# Altium PCB PCB_Template.PcbDoc (part 1 of 6) (continued)
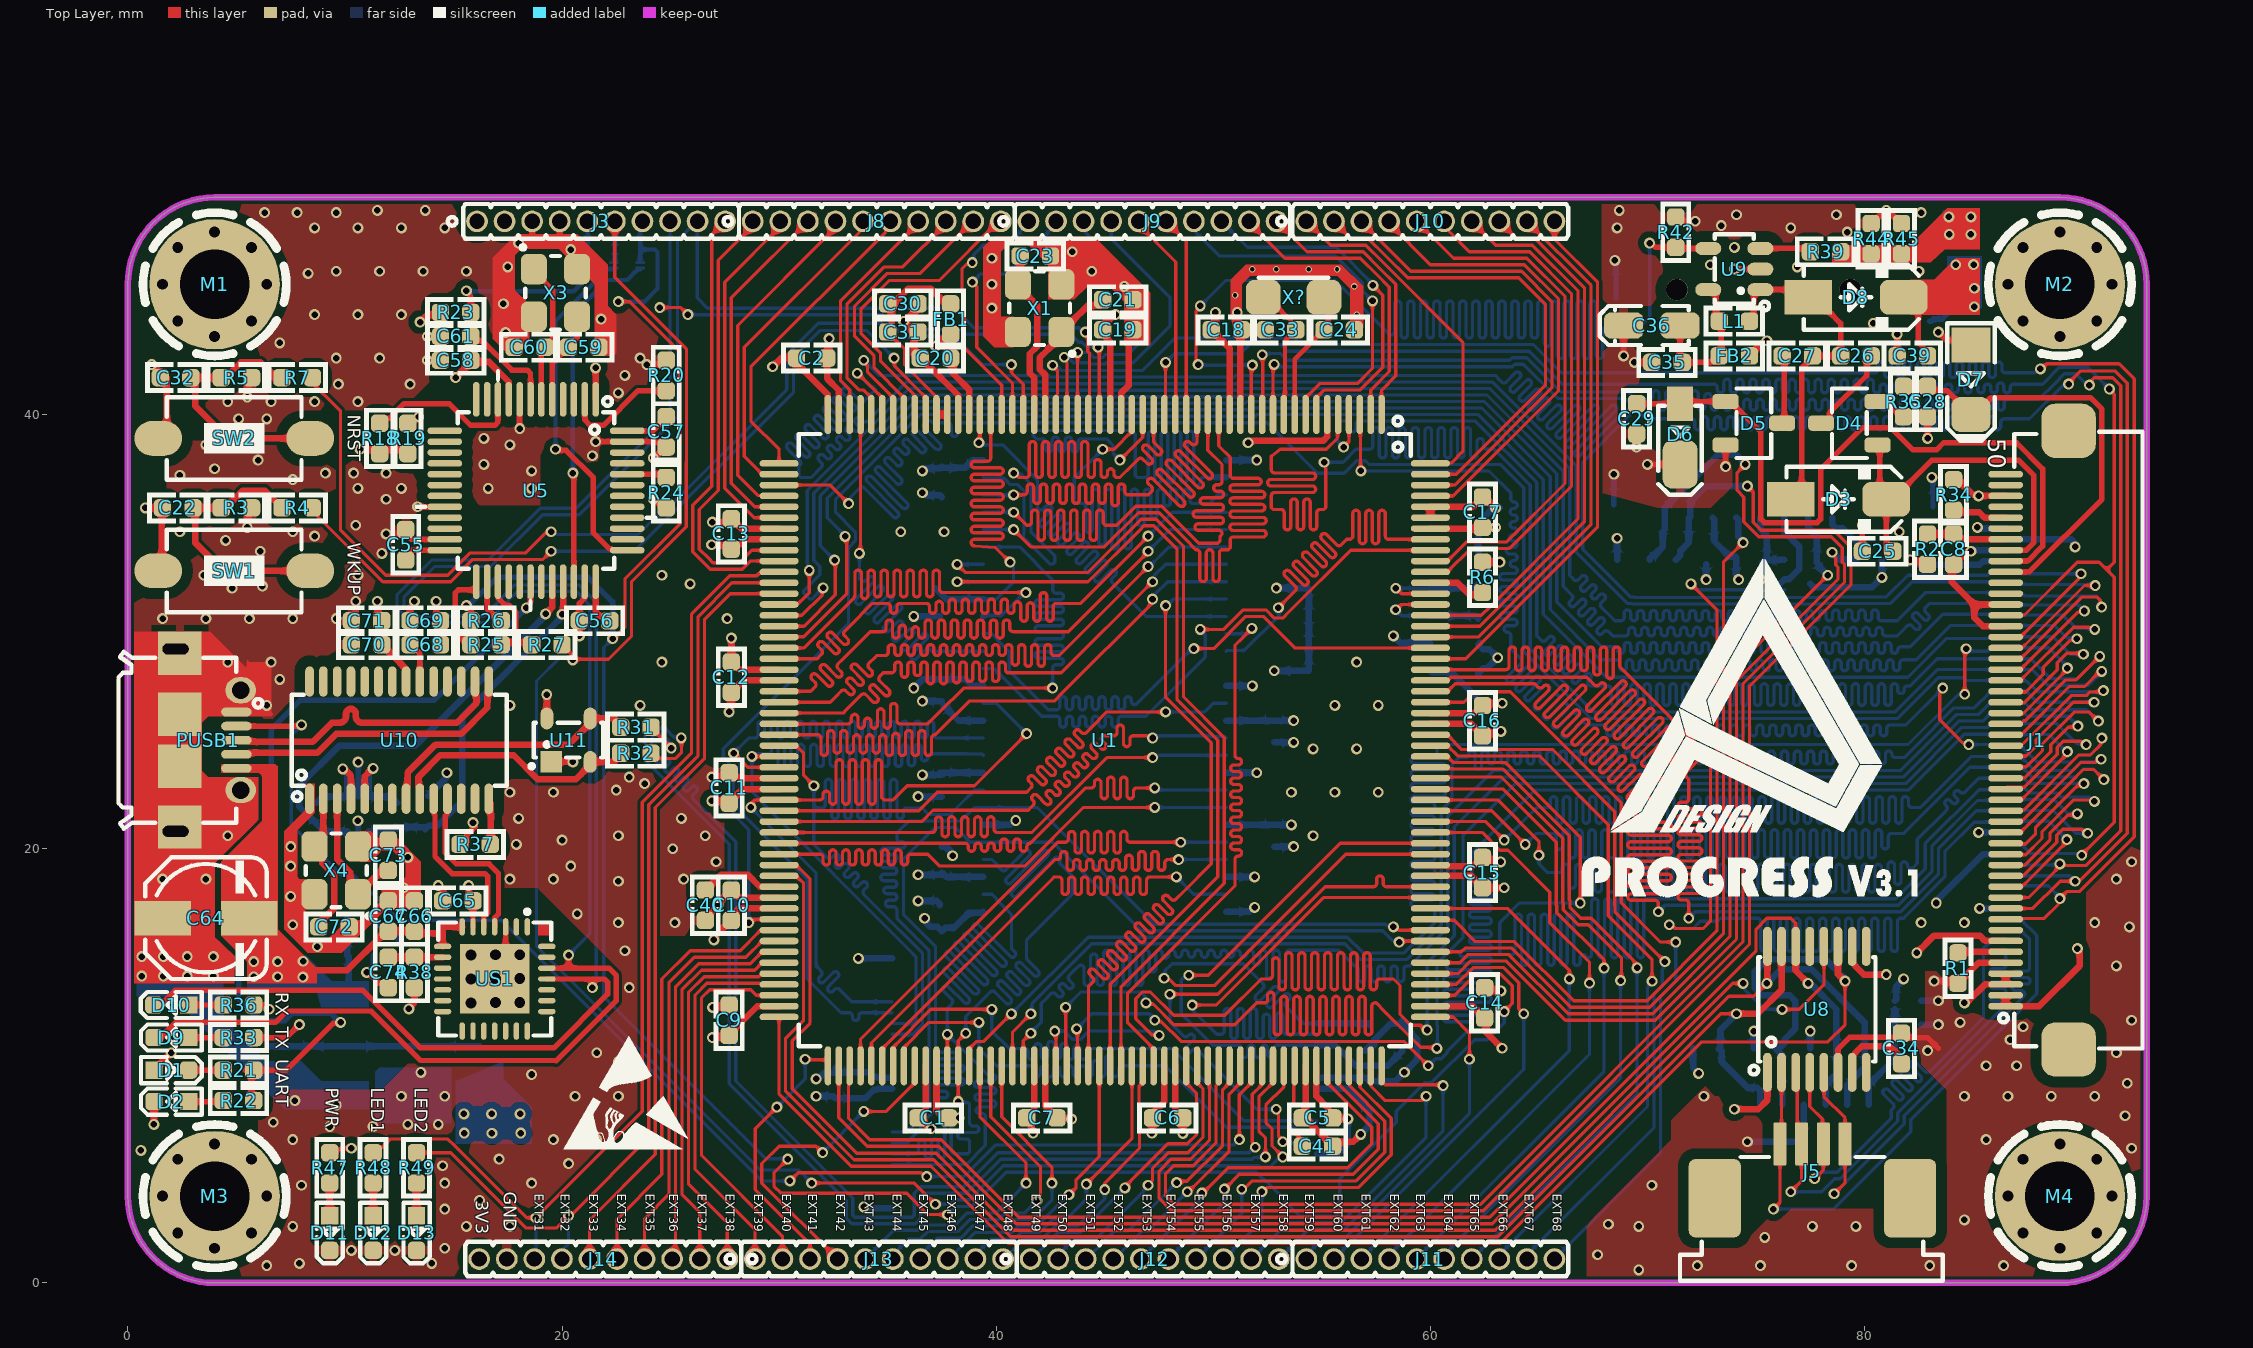
[diagram p0: Top Layer view]
## Footprints (in the part's own frame and the unit in brackets; to place one, negate y for a bottom-side part, rotate by r counter-clockwise, add the part's x,y. Pads: shape width x height; smd on the part's side, far side on the other; paste and mask are expansions set on the pad)
C0603 [mm] "CHIP Capacitor, 1.6X0.8mm, 0603 OPTIMIZED"
  rrect50% 0.8x0.8 smd paste-5 mask+0.075: 1(-0.7,0) 2(0.7,0)
  Top Layer pour cut-out: -0.5,0.4 0.5,0.4 0.5,-0.4 -0.5,-0.4
  silkscreen extent -1.4,-0.7 1.4,0.7, body extent -0.8,-0.4 0.8,0.4, height 0.9
C_EL_5 [mm] "Electrolytic Cap, D: 5.0mm, L: 5.8mm, Size C"
  rect 2.6x1.6 smd: 1(-2,0) 2(2,0)
  Top Layer pour cut-out: 1.905,2.667 1.905,-2.7 -1.905,-2.7 -1.905,2.667
  silkscreen extent -2.8,-2.8 2.8,2.8, body extent -3,-2.65 3,2.65
C_TN_3216 [mm] "CAPACITOR, TAN A, 1206P, 3.2x1.6mm"
  rrect50% 1.8x1.2 smd mask+0.075: 1(-1.3,0) 2(1.3,0)
  Top Layer pour cut-out: -0.762,0.9 0.762,0.9 0.762,-0.9 -0.762,-0.9
  silkscreen extent -2.4,-0.9 1.7,0.9, body extent -1.7,-0.9 1.7,0.9, height 1.7
D1206 [mm] "SOD123, miniMELF, DO-213AA, MLL34, 320X160D"
  rect 1.6x1.8 smd paste-2 mask+0.075: 1(-1.6,0)
  rrect50% 1.6x1.8 smd paste-2 mask+0.075: 2(1.6,0)
  Top Layer pour cut-out: -1.016,1.1 -1.016,-1.1 1.016,-1.1 1.016,1.1
  silkscreen extent -2.6,-1.1 2.8,1.1, body extent -1.92,-1.08 1.93,1.08, height 1.35
D_SMA [mm] "SMA Molded Diode, 2-Leads, Body 4.3x2.7mm, SOD-128"
  rect 2.2x1.6 smd paste-0.1: 1(-2.2,0)
  rrect50% 2.2x1.6 smd paste-0.1: 2(2.2,0)
  silkscreen extent -2.4,-1.5 2.9,1.5, body extent -2.75,-1.4 2.75,1.4, height 2.6
D_SOD123W [mm] "PowerDI-123, SOD123, DO-213AA, 1206D"
  rect 1.6x1.2 smd paste-0.1 mask+0.1: 1(-1.6,0)
  rrect50% 2.2x1.6 smd paste-0.1 mask+0.1: 2(1.2,0)
  Top Layer pour cut-out: -1.016,1.1 -1.016,-1.1 1.016,-1.1 1.016,1.1
  silkscreen extent -1.5,-1 2.6,1, body extent -1.95,-0.97 1.95,0.96, height 1
FPC50_40 [mm] "FPC, pitch: 0.5mm, FH12-40S-0.5SH, molex 54132-4062"
  oval 0.3x1.6 smd mask+0.05: 1(9.75,0) 2(9.25,0) 3(8.75,0) 4(8.25,0) 5(7.75,0) 6(7.25,0) 7(6.75,0) 8(6.25,0) 9(5.75,0) 10(5.25,0) 11(4.75,0) 12(4.25,0) 13(3.75,0) 14(3.25,0) 15(2.75,0) 16(2.25,0) 17(1.75,0) 18(1.25,0) 19(0.75,0) 20(0.25,0) 21(-0.25,0) 22(-0.75,0) 23(-1.25,0) 24(-1.75,0) 25(-2.25,0) 26(-2.75,0) 27(-3.25,0) 28(-3.75,0) 29(-4.25,0) 30(-4.75,0) 31(-5.25,0) 32(-5.75,0) 33(-6.25,0) 34(-6.75,0) 35(-7.25,0) 36(-7.75,0) 37(-8.25,0) 38(-8.75,0) 39(-9.25,0) 40(-9.75,0)
  rrect50% 2.5x2.5 smd: ""(-11.75,2.9) ""(11.75,2.9)
  silkscreen extent -11.7,0.4 11.7,6.3, body extent -12.05,-0.3 12.05,6.1, height 2.09
FPC50_50 [mm] "FPC, pitch: 0.5mm, FH12-50S-0.5SH"
  oval 0.3x1.6 smd mask+0.05: 1(12.25,0) 2(11.75,0) 3(11.25,0) 4(10.75,0) 5(10.25,0) 6(9.75,0) 7(9.25,0) 8(8.75,0) 9(8.25,0) 10(7.75,0) 11(7.25,0) 12(6.75,0) 13(6.25,0) 14(5.75,0) 15(5.25,0) 16(4.75,0) 17(4.25,0) 18(3.75,0) 19(3.25,0) 20(2.75,0) 21(2.25,0) 22(1.75,0) 23(1.25,0) 24(0.75,0) 25(0.25,0) 26(-0.25,0) 27(-0.75,0) 28(-1.25,0) 29(-1.75,0) 30(-2.25,0) 31(-2.75,0) 32(-3.25,0) 33(-3.75,0) 34(-4.25,0) 35(-4.75,0) 36(-5.25,0) 37(-5.75,0) 38(-6.25,0) 39(-6.75,0) 40(-7.25,0) 41(-7.75,0) 42(-8.25,0) 43(-8.75,0) 44(-9.25,0) 45(-9.75,0) 46(-10.25,0) 47(-10.75,0) 48(-11.25,0) 49(-11.75,0) 50(-12.25,0)
  rrect50% 2.5x2.5 smd: ""(-14.25,2.9) ""(14.25,2.9)
  silkscreen extent -14.2,-0.3 14.2,6.3, body extent -14.55,-0.3 14.55,6.1, height 2.09
FPC100_4HT [mm] "TE Connectivity 4-pin ZIF connector TE84953-4"
  rrect25% 0.6x2 smd: 1(1.5,0) 2(0.5,0) 3(-0.5,0) 4(-1.5,0)
  rrect25% 2.4x3.6 smd: ""(-4.5,2.5) ""(4.5,2.5)
  silkscreen extent -6,0.6 6.1,6.3, body extent -5.96,-0.39 5.96,6.16, height 2.58
FPC100_6H [mm] "FPC 6pin pitch: 1.0mm, Molex 52271-0679"
  oval 0.6x2.4 smd: 1(2.5,0) 2(1.5,0) 3(0.5,0) 4(-0.5,0) 5(-1.5,0) 6(-2.5,0)
  rrect50% 2x3 smd: ""(-5.65,2.2) ""(5.65,2.2)
  silkscreen extent -6.6,0.8 6.6,8.1, body extent -6.5,-0.7 6.5,8, height 3
HDRMINI_M_1X10 [mm] "mini header (50mil pitch)"
  round 1 / inner round 1 / far side oval 1x1.4 hole 0.7 mask+0.05: 1(-5.715,0) 2(-4.445,0) 3(-3.175,0) 4(-1.905,0) 5(-0.635,0) 6(0.635,0) 7(1.905,0) 8(3.175,0) 9(4.445,0) 10(5.715,0)
  silkscreen extent -7.06,-0.8 6.35,0.8, body extent -6.35,-0.64 6.35,0.64, height 7.3
JP_40X50 [mm] "JUMPER SOLDER 0.4X0.5MM"
  oval 0.2x0.4 smd paste-2 mask+0.05: 1(-0.175,0) 2(0.175,0)
  Top Layer region: 0.175,0.2 0.075,0.2 0.075,-0.2 0.175,-0.2
  Top Layer region: -0.175,0.2 -0.075,0.2 -0.075,-0.2 -0.175,-0.2
  silkscreen extent -0.38,-0.3 0.38,0.3
L0603 [mm] "INDUCTOR, FERRITE BEAD, 0603, 1.6X0.8mm"
  rrect50% 0.8x0.8 smd paste-5 mask+0.075: 1(-0.7,0) 2(0.7,0)
  silkscreen extent -1.4,-0.7 1.4,0.7, body extent -0.8,-0.4 0.8,0.4, height 0.95
LED0603BLU [mm] "LED SMD 0603, BLUE"
  rect 0.8x0.8 smd paste-5 mask+0.075: 1(-0.8,0)
  rrect50% 0.8x0.8 smd paste-5 mask+0.075: 2(0.8,0)
  silkscreen extent -1.4,-0.6 1.4,0.6, body extent -0.8,-0.4 0.8,0.4, height 0.5
QFG50_48 [mm] "LQFP48, PQFF, PQFG, TSQFP, 48-Leads, Body 7.00x7.00mm, Pitch 0.50mm"
  oval 1.6x0.3 smd mask+0.05: 1(-4.2,2.75) 2(-4.2,2.25) 3(-4.2,1.75) 4(-4.2,1.25) 5(-4.2,0.75) 6(-4.2,0.25) 7(-4.2,-0.25) 8(-4.2,-0.75) 9(-4.2,-1.25) 10(-4.2,-1.75) 11(-4.2,-2.25) 12(-4.2,-2.75) 25(4.2,-2.75) 26(4.2,-2.25) 27(4.2,-1.75) 28(4.2,-1.25) 29(4.2,-0.75) 30(4.2,-0.25) 31(4.2,0.25) 32(4.2,0.75) 33(4.2,1.25) 34(4.2,1.75) 35(4.2,2.25) 36(4.2,2.75)
  oval 0.3x1.6 smd mask+0.05: 13(-2.75,-4.2) 14(-2.25,-4.2) 15(-1.75,-4.2) 16(-1.25,-4.2) 17(-0.75,-4.2) 18(-0.25,-4.2) 19(0.25,-4.2) 20(0.75,-4.2) 21(1.25,-4.2) 22(1.75,-4.2) 23(2.25,-4.2) 24(2.75,-4.2) 37(2.75,4.2) 38(2.25,4.2) 39(1.75,4.2) 40(1.25,4.2) 41(0.75,4.2) 42(0.25,4.2) 43(-0.25,4.2) 44(-0.75,4.2) 45(-1.25,4.2) 46(-1.75,4.2) 47(-2.25,4.2) 48(-2.75,4.2)
  silkscreen extent -5.5,-5.5 5.5,5.5, body extent -4.5,-4.5 4.5,4.5, height 1.6
QFG50_208 [mm] "LQFP208, pqfp208 (Altera), N208 (Cypress), HQ208/MQ208/PQ208/PQG208 (Xilinx), MS-029FA1(JEDEC), SOT459-1, 28X28mm, Pitch: 0.5mm"
  oval 1.8x0.3 smd mask+0.075: 1(-15,12.75) 2(-15,12.25) 3(-15,11.75) 4(-15,11.25) 5(-15,10.75) 6(-15,10.25) 7(-15,9.75) 8(-15,9.25) 9(-15,8.75) 10(-15,8.25) 11(-15,7.75) 12(-15,7.25) 13(-15,6.75) 14(-15,6.25) 15(-15,5.75) 16(-15,5.25) 17(-15,4.75) 18(-15,4.25) 19(-15,3.75) 20(-15,3.25) 21(-15,2.75) 22(-15,2.25) 23(-15,1.75) 24(-15,1.25) 25(-15,0.75) 26(-15,0.25) 27(-15,-0.25) 28(-15,-0.75) 29(-15,-1.25) 30(-15,-1.75) 31(-15,-2.25) 32(-15,-2.75) 33(-15,-3.25) 34(-15,-3.75) 35(-15,-4.25) 36(-15,-4.75) 37(-15,-5.25) 38(-15,-5.75) 39(-15,-6.25) 40(-15,-6.75) 41(-15,-7.25) 42(-15,-7.75) 43(-15,-8.25) 44(-15,-8.75) 45(-15,-9.25) 46(-15,-9.75) 47(-15,-10.25) 48(-15,-10.75) 49(-15,-11.25) 50(-15,-11.75) 51(-15,-12.25) 52(-15,-12.75) 105(15,-12.75) 106(15,-12.25) 107(15,-11.75) 108(15,-11.25) 109(15,-10.75) 110(15,-10.25) 111(15,-9.75) 112(15,-9.25) 113(15,-8.75) 114(15,-8.25) 115(15,-7.75) 116(15,-7.25) 117(15,-6.75) 118(15,-6.25) 119(15,-5.75) 120(15,-5.25) 121(15,-4.75) 122(15,-4.25) 123(15,-3.75) 124(15,-3.25) 125(15,-2.75) 126(15,-2.25) 127(15,-1.75) 128(15,-1.25) 129(15,-0.75) 130(15,-0.25) 131(15,0.25) 132(15,0.75) 133(15,1.25) 134(15,1.75) 135(15,2.25) 136(15,2.75) 137(15,3.25) 138(15,3.75) 139(15,4.25) 140(15,4.75) 141(15,5.25) 142(15,5.75) 143(15,6.25) 144(15,6.75) 145(15,7.25) 146(15,7.75) 147(15,8.25) 148(15,8.75) 149(15,9.25) 150(15,9.75) 151(15,10.25) 152(15,10.75) 153(15,11.25) 154(15,11.75) 155(15,12.25) 156(15,12.75)
  oval 0.3x1.8 smd mask+0.075: 53(-12.75,-15) 54(-12.25,-15) 55(-11.75,-15) 56(-11.25,-15) 57(-10.75,-15) 58(-10.25,-15) 59(-9.75,-15) 60(-9.25,-15) 61(-8.75,-15) 62(-8.25,-15) 63(-7.75,-15) 64(-7.25,-15) 65(-6.75,-15) 66(-6.25,-15) 67(-5.75,-15) 68(-5.25,-15) 69(-4.75,-15) 70(-4.25,-15) 71(-3.75,-15) 72(-3.25,-15) 73(-2.75,-15) 74(-2.25,-15) 75(-1.75,-15) 76(-1.25,-15) 77(-0.75,-15) 78(-0.25,-15) 79(0.25,-15) 80(0.75,-15) 81(1.25,-15) 82(1.75,-15) 83(2.25,-15) 84(2.75,-15) 85(3.25,-15) 86(3.75,-15) 87(4.25,-15) 88(4.75,-15) 89(5.25,-15) 90(5.75,-15) 91(6.25,-15) 92(6.75,-15) 93(7.25,-15) 94(7.75,-15) 95(8.25,-15) 96(8.75,-15) 97(9.25,-15) 98(9.75,-15) 99(10.25,-15) 100(10.75,-15) 101(11.25,-15) 102(11.75,-15) 103(12.25,-15) 104(12.75,-15) 157(12.75,15) 158(12.25,15) 159(11.75,15) 160(11.25,15) 161(10.75,15) 162(10.25,15) 163(9.75,15) 164(9.25,15) 165(8.75,15) 166(8.25,15) 167(7.75,15) 168(7.25,15) 169(6.75,15) 170(6.25,15) 171(5.75,15) 172(5.25,15) 173(4.75,15) 174(4.25,15) 175(3.75,15) 176(3.25,15) 177(2.75,15) 178(2.25,15) 179(1.75,15) 180(1.25,15) 181(0.75,15) 182(0.25,15) 183(-0.25,15) 184(-0.75,15) 185(-1.25,15) 186(-1.75,15) 187(-2.25,15) 188(-2.75,15) 189(-3.25,15) 190(-3.75,15) 191(-4.25,15) 192(-4.75,15) 193(-5.25,15) 194(-5.75,15) 195(-6.25,15) 196(-6.75,15) 197(-7.25,15) 198(-7.75,15) 199(-8.25,15) 200(-8.75,15) 201(-9.25,15) 202(-9.75,15) 203(-10.25,15) 204(-10.75,15) 205(-11.25,15) 206(-11.75,15) 207(-12.25,15) 208(-12.75,15)
  silkscreen extent -14.9,-14.1 14.1,14.1, body extent -15.3,-15.3 15.3,15.3, height 4.15
QFN50_28T [mm] "QFN, 28, 5X5mm, 0.5mm"
  oval 0.8x0.25 smd mask+0.075: 1(-2.4,1.5) 2(-2.4,1) 3(-2.4,0.5) 4(-2.4,0) 5(-2.4,-0.5) 6(-2.4,-1) 7(-2.4,-1.5) 15(2.4,-1.5) 16(2.4,-1) 17(2.4,-0.5) 18(2.4,0) 19(2.4,0.5) 20(2.4,1) 21(2.4,1.5)
  oval 0.25x0.8 smd mask+0.075: 8(-1.5,-2.4) 9(-1,-2.4) 10(-0.5,-2.4) 11(0,-2.4) 12(0.5,-2.4) 13(1,-2.4) 14(1.5,-2.4) 22(1.5,2.4) 23(1,2.4) 24(0.5,2.4) 25(0,2.4) 26(-0.5,2.4) 27(-1,2.4) 28(-1.5,2.4)
  rect 3.2x3.2 smd paste-3 mask+0.075: 29(0,0)
  Top Layer region: -2.5,2.001 -2,2.001 -2,2.501 -2.5,2.501
  silkscreen extent -3.2,-2.6 2.6,2.6, body extent -2.5,-2.5 2.5,2.5, height 1
R0603 [mm] "CHIP Resistor 1/10 WATT, 1.6x0.8mm, 0603, OPTIMIZED"
  rrect50% 0.8x0.8 smd paste-5 mask+0.075: 1(-0.7,0) 2(0.7,0)
  Top Layer pour cut-out: -0.5,0.4 0.5,0.4 0.5,-0.4 -0.5,-0.4
  silkscreen extent -1.4,-0.7 1.4,0.7, body extent -0.85,-0.4 0.85,0.4, height 0.56
SCMH_M3 [mm] "SCREW mouting, M3, 3.0mm diameter and 6.0mm PanHead"
  round 6 / inner round 3.5 / far side round 6 hole 3.2 mask+0.1: 1(0,0)
  Top Layer pour cut-out: 0,3.5 -1.339,3.234 -2.475,2.475 -3.234,1.339 -3.5,0 -3.5,0 -3.234,-1.339 -2.475,-2.475 -1.339,-3.234 0,-3.5 0,-3.5 1.75,-3.031 3.031,-1.75 3.5,0 3.5,0 3.234,1.339 2.475,2.475 1.339,3.234 0,3.5
  Bottom Layer pour cut-out: 0,3.5 -1.339,3.234 -2.475,2.475 -3.234,1.339 -3.5,0 -3.5,0 -3.234,-1.339 -2.475,-2.475 -1.339,-3.234 0,-3.5 0,-3.5 1.75,-3.031 3.031,-1.75 3.5,0 3.5,0 3.234,1.339 2.475,2.475 1.339,3.234 0,3.5
  silkscreen extent -3.3,-3.3 3.3,3.3
SDMICRO_AT [mm] "SDMICRO exist on Iran, Attend 112J-TDAR-R01 push-push"
  oval 0.7x1.6 smd: 1(-2.2,-5.25) 2(-1.1,-5.25) 3(0,-5.25) 4(1.1,-5.25) 5(2.2,-5.25) 6(3.3,-5.25) 7(4.4,-5.25) 8(5.5,-5.25) 9(6.6,-5.25)
  rect 1.2x1.4 smd: SH1(7.85,-4.65)
  rect 1.2x2.2 smd: SH2(7.75,4.85) SH3(-7.75,4.85)
  rect 1.6x1.2 smd: SH4(-6.85,-4.75)
  round 1 hole 1 unplated mask+0.102: ""(-3.05,5.25) ""(4.95,5.25)
  silkscreen extent -7.3,-5.3 7.5,15.52, body extent -8,-5.7 8.1,13.82, height 1.85
SO_8 [mm] "SOP-8, 5x3.9mm body 1.27mm pitch, SOT96-1, M08A, S8, SOIC8, VO8, MS-012AA(JEDEC), R-8, 8S2, VOG8"
  oval 2x0.6 smd: 1(-2.8,1.905) 2(-2.8,0.635) 3(-2.8,-0.635) 4(-2.8,-1.905) 5(2.8,-1.905) 6(2.8,-0.635) 7(2.8,0.635) 8(2.8,1.905)
  silkscreen extent -2.8,-2.7 2.1,2.8, body extent -3,-2.45 3,2.45, height 1.7
SOG50_48_W [mm] "TSOP I, 12x20mm, pitch: 0.5mm"
  oval 1.6x0.3 smd mask+0.075: 1(-9.8,5.75) 2(-9.8,5.25) 3(-9.8,4.75) 4(-9.8,4.25) 5(-9.8,3.75) 6(-9.8,3.25) 7(-9.8,2.75) 8(-9.8,2.25) 9(-9.8,1.75) 10(-9.8,1.25) 11(-9.8,0.75) 12(-9.8,0.25) 13(-9.8,-0.25) 14(-9.8,-0.75) 15(-9.8,-1.25) 16(-9.8,-1.75) 17(-9.8,-2.25) 18(-9.8,-2.75) 19(-9.8,-3.25) 20(-9.8,-3.75) 21(-9.8,-4.25) 22(-9.8,-4.75) 23(-9.8,-5.25) 24(-9.8,-5.75) 25(9.8,-5.75) 26(9.8,-5.25) 27(9.8,-4.75) 28(9.8,-4.25) 29(9.8,-3.75) 30(9.8,-3.25) 31(9.8,-2.75) 32(9.8,-2.25) 33(9.8,-1.75) 34(9.8,-1.25) 35(9.8,-0.75) 36(9.8,-0.25) 37(9.8,0.25) 38(9.8,0.75) 39(9.8,1.25) 40(9.8,1.75) 41(9.8,2.25) 42(9.8,2.75) 43(9.8,3.25) 44(9.8,3.75) 45(9.8,4.25) 46(9.8,4.75) 47(9.8,5.25) 48(9.8,5.75)
  silkscreen extent -10.9,-6.1 10.9,6.5, body extent -10.1,-6.05 10.1,6.05, height 1.2
SOG63_28 [mm] "SSOP, 28-Leads, 9.9x3.9mm, Pitch 0.635mm"
  oval 1.4x0.4 smd: 1(-2.7,4.127) 2(-2.7,3.492) 3(-2.7,2.857) 4(-2.7,2.222) 5(-2.7,1.587) 6(-2.7,0.952) 7(-2.7,0.317) 8(-2.7,-0.318) 9(-2.7,-0.953) 10(-2.7,-1.588) 11(-2.7,-2.222) 12(-2.7,-2.857) 13(-2.7,-3.492) 14(-2.7,-4.127) 15(2.7,-4.127) 16(2.7,-3.492) 17(2.7,-2.857) 18(2.7,-2.222) 19(2.7,-1.587) 20(2.7,-0.952) 21(2.7,-0.317) 22(2.7,0.318) 23(2.7,0.953) 24(2.7,1.588) 25(2.7,2.222) 26(2.7,2.857) 27(2.7,3.492) 28(2.7,4.127)
  silkscreen extent -2.8,-4.95 2.1,4.95, body extent -3,-4.95 3,4.95, height 1.75
SOG65_16 [mm] "PW TSSOP (TI), MO-153-AB (JEDEC), 16Lead, pitch: 0.65mm, 5x4.4x1.2mm"
  oval 1.8x0.4 smd mask+0.075: 1(-2.9,2.275) 2(-2.9,1.625) 3(-2.9,0.975) 4(-2.9,0.325) 5(-2.9,-0.325) 6(-2.9,-0.975) 7(-2.9,-1.625) 8(-2.9,-2.275) 9(2.9,-2.275) 10(2.9,-1.625) 11(2.9,-0.975) 12(2.9,-0.325) 13(2.9,0.325) 14(2.9,0.975) 15(2.9,1.625) 16(2.9,2.275)
  silkscreen extent -3,-2.7 2.4,3.1, body extent -3.2,-2.5 3.2,2.5, height 1.1
SOG80_54 [mm]
  oval 1.5x0.5 smd mask+0.1: 1(-5.6,10.4) 2(-5.6,9.6) 3(-5.6,8.8) 4(-5.6,8) 5(-5.6,7.2) 6(-5.6,6.4) 7(-5.6,5.6) 8(-5.6,4.8) 9(-5.6,4) 10(-5.6,3.2) 11(-5.6,2.4) 12(-5.6,1.6) 13(-5.6,0.8) 14(-5.6,0) 15(-5.6,-0.8) 16(-5.6,-1.6) 17(-5.6,-2.4) 18(-5.6,-3.2) 19(-5.6,-4) 20(-5.6,-4.8) 21(-5.6,-5.6) 22(-5.6,-6.4) 23(-5.6,-7.2) 24(-5.6,-8) 25(-5.6,-8.8) 26(-5.6,-9.6) 27(-5.6,-10.4) 28(5.6,-10.4) 29(5.6,-9.6) 30(5.6,-8.8) 31(5.6,-8) 32(5.6,-7.2) 33(5.6,-6.4) 34(5.6,-5.6) 35(5.6,-4.8) 36(5.6,-4) 37(5.6,-3.2) 38(5.6,-2.4) 39(5.6,-1.6) 40(5.6,-0.8) 41(5.6,0) 42(5.6,0.8) 43(5.6,1.6) 44(5.6,2.4) 45(5.6,3.2) 46(5.6,4) 47(5.6,4.8) 48(5.6,5.6) 49(5.6,6.4) 50(5.6,7.2) 51(5.6,8) 52(5.6,8.8) 53(5.6,9.6) 54(5.6,10.4)
  silkscreen extent -7,-11.3 7,11.3, body extent -5.9,-11.11 5.86,11.11, height 1.3
SOT23_3 [mm] "SOT-23, Micro3, MO-178, TO-236AB, MO-193C, SuperSOT3, SC-59, 1.5x3mm, Pitch 1.9mm"
  rrect50% 1.2x0.7 smd paste-0.05 mask+0.1: 1(-1.3,1) 2(-1.3,-1) 3(1.3,0)
  silkscreen extent -0.8,-1.6 0.8,1.6, body extent -1.32,-1.5 1.32,1.5, height 1.08
SOT23_5 [mm] "SOT-23-5, SOT25, SOT-25, DBV(R-PDSO-G5), SOT753, TSOT23-5, SC-74A, SOT23-5, S5-T (LINEAR), MO-178AA, MO-193AB(JEDEC), MF05A (NS), TSOP-5(ON), UJ-5 (AD), 1.5x3mm, Pitch 0.65mm"
  oval 1.2x0.6 smd paste-0.05: 1(-1.2,0.95) 2(-1.2,0) 3(-1.2,-0.95) 4(1.2,-0.95) 5(1.2,0.95)
  silkscreen extent -1.6,-1.6 0.9,1.9, body extent -1.25,-1.5 1.25,1.5, height 1.15
SOT143_4 [mm] "SC-74A , SOT143, TO-253A, LAT-3/MMM168, MW-4, 1.5X3mm, 1.9mm pitch"
  rect 1x1 smd paste-0.05: 1(-1,0.8)
  oval 1x0.6 smd paste-0.05: 2(-1,-1) 3(1,-1) 4(1,1)
  silkscreen extent -1.3,-1.6 0.8,1.8, body extent -1.21,-1.46 1.21,1.46, height 1
SOT223_4 [mm] "SOT223, 4-Leads, Body 6.5x3.5mm, Pitch 2.30mm"
  oval 2.2x1 smd: 1(-3.2,2.3) 2(-3.2,0) 3(-3.2,-2.3)
  rect 2.2x3.2 smd paste-5: 4(3,0)
  Top Layer pour cut-out: -1.7,3.556 1.7,3.556 1.7,-3.556 -1.7,-3.556
  silkscreen extent -3.02,-3.4 1.9,3.47, body extent -3.5,-3.25 3.5,3.25, height 1.7
SOT563_6 [mm] "SOT-563, SOT-666, 6 LEAD, Body 1.2x1.6mm, Pitch 0.50mm"
  oval 0.8x0.25 smd mask+0.075: 1(-0.8,0.5) 2(-0.8,0) 3(-0.8,-0.5) 4(0.8,-0.5) 5(0.8,0) 6(0.8,0.5)
  silkscreen extent -1.1,-0.9 0.7,1.1, body extent -0.81,-0.8 0.81,0.8, height 0.58
SWPBS_SPST_6X3X2 [mm] "SWITCH, PUSHBUTTON, SMD, SPST, 6X3.5X2.5mm, RS-282G05A3, SKQYPA, 50000 Cycles"
  oval 2.2x1.6 smd mask+0.1: 1(-3.5,0) 2(3.5,0)
  silkscreen extent -3.1,-1.9 3.1,1.9, body extent -3.4,-1.86 3.4,1.86, height 2.5
USB_MICRO_AB_TM_SHT [mm] "CONN, USB Micro AB, Top mount, Shell THT, molex 475900001"
  oval 0.4x1.4 smd: 1(-1.3,0) 2(-0.65,0) 3(0,0) 4(0.65,0) 5(1.3,0)
  oval 1.2x1.4 hole 0.8 mask+0.05: SH1(-2.3,-0.2) SH2(2.3,-0.2)
  rect 2x2 smd: SH3(-4,2.6) SH4(-1.2,2.6) SH5(1.2,2.6) SH6(4,2.6)
  oval 0.8x1.6 hole 0.5 slot 1.2 at 90 deg: SH7(-4.2,2.8) SH8(4.2,2.8)
  silkscreen extent -4.08,-1.2 4.08,5.43, body extent -4.32,-0.35 4.32,5.55, height 2.71
XTL_2_3215 [mm] "ABS07 3.2x1.5mm"
  rrect50% 1.6x1.6 smd mask+0.075: 1(-1.4,0) 2(1.4,0)
  Top Layer pour cut-out: -1.4,0.8 -1.4,-0.8 1.4,-0.8 1.4,0.8
  silkscreen extent -1.6,-0.9 1.6,0.9, body extent -1.61,-0.76 1.61,0.76, height 0.91
XTL_4_3225 [mm] "CRYSTAL OSCILATOR 3.2X2.5mm, ABM8, CDFN-4"
  rrect50% 1.2x1.4 smd: 1(-1,1.1) 2(-1,-1.1) 3(1,-1.1) 4(1,1.1)
  Top Layer pour cut-out: -1.6,1.8 -1.6,-1.8 1.6,-1.8 1.6,1.8
  silkscreen extent -1.6,-1.7 1.4,2.2, body extent -1.25,-1.6 1.25,1.6, height 0.61

## Part data
C1 C2 C3 C4 C5 C6 C7 C8 C9 C10 C11 C12 C13 C14 C15 C16 C17 C18 C19 C20 C21 C22 C23 C24 C25 C26 C27 C28 C29 C30 C31 C32 C33 C34 C35 C37 C38 C39 C40 C41 C42 C43 C44 C45 C46 C47 C50 C51 C52 C53 C54 C55 C56 C57 C58 C59 C60 C61 C62 C63 C65 C66 C67 C68 C69 C70 C71 C72 C73 C74: library part CAP_SMD_MLCC_0805, "CAP, MLCC, -F, -V, MATERIAL, -%, 0201", ASSEMBLY=ASSEMBLY, MANF=-, MANF_P#=MANF_PART#, PARAM="-, -%", PARAM2=-V, PRICE="100= 1$"
C36: library part CAP_SMD_TAN_3216, "CAP, SMD, TAN,", PARAM2=-V
C64: library part CAP_SMD_EL, "CAP, THD, ELEC,", ASSEMBLY=ASSEMBLY, DESC=DESCRIPTION, DIST#=MOUSER, MANF=MANF, MANF_P#=MANF_PART#, PARAM=20%, PARAM2=-V, PRICE="10= -$"
D1 D2 D9 D10 D11 D12 D13: library part LED_SMD_0805, "LED, SMD, 0805", ASSEMBLY=ASSEMBLY, DESC=DESCRIPTION, MANF=MANF, MANF_P#=MANF_PART#, PARAM2=2.2V, PRICE=PRICE
D3 D8: library part DIODE_SMD_SCHOTTKY_1N5822, "DIODE, SCHOTTKY, 40V, 3A", ASSEMBLY=ASSEMBLY, DESC=DESCRIPTION, MANF=DIODES, MANF_P#=1N5822, PARAM=40V, PARAM2=3A, PRICE=PRICE
D4 D5: library part DIODE_SMD_SCHOTTKY_BAV99, "DIODE, SCHOTTKY, DUAL, 30V, 0.2A", ASSEMBLY=ASSEMBLY, DESC=DESCRIPTION, MANF=Diodes, MANF_P#=BAV99, PARAM=30V/200MW, PARAM2=0.2A, PRICE=PRICE
D6: library part DIODE_SMD_ZENER_DFLZ5V6, "DIODE, ZENER, 1W, 5.1V", ASSEMBLY=ASSEMBLY, DESC=DESCRIPTION, MANF=Diodes, MANF_P#=DFLZ5V6-7, PARAM=5.6V, PARAM2="1W, 4Ohm, -55~150oC", PRICE=0.5$
D7: "DIODE, ZENER, 1W, 13.8V", ASSEMBLY=ASSEMBLY, DESC=DESCRIPTION, MANF=ROHM, PARAM=13.8V, PARAM2=1W, PRICE=PRICE
FB1: library part FBEAD_SMD_BLM21PG221, "FERRITE_Bead, 0805, 2A, 50mOhm, 220@100MHz", MANF=MURATA, MANF_P#=BLM15AG121SN1D, PARAM=220@100MHz, PARAM2="2A, 50mOhm"
FB2: library part FBEAD_SMD, "FERRITE_Bead, SMD", MANF=MURATA, MANF_P#=BLM15AG121SN1D, PARAM=120@100MHz, PARAM2=1A
J1: library part FPC50_50, "CONN, FPC, 0.50mm pitch, RightAngle, Bot. Contact", MANF=Hirose, MANF_P#=FH12-50S-0.5SH
J2: "CONN, FPC, 0.50mm pitch, RightAngle, Bot. Contact", DESC="FH12F-40S-0.5SH, FH12S-40S-0.5SH", MANF="MOLEX, Hirose", MANF_P#="54132‐4062, FH12-40S-0.5SH"
J3 J8 J9 J10 J11 J12 J13 J14: library part HDRMINI_M_1X10, "CONN, HEADER, Male, pitch: 1.27mm, 10POS"
J4: library part FPC100_6H, "CONN, FPC, 1mm pitch, RightAngle, Top Contact", MANF="Wurth Electronics, Molex", MANF_P#="68610614422, 52271-0679"
J5: library part FPC100_4HT, "CONN, FPC, 1mm pitch, RightAngle, Top Contact", MANF=TE, MANF_P#=84953-4
J6: library part SOCKET_SDMICRO_AT, "SD MICRO exist in Iran, Attend 112J-TDAR-R01", MANF=Attend, MANF_P#=112J-TDAR-R01, PARAM=push-push
JP2 JP3 JP4: library part JUMPER_SOLDER, "JUMPER, HEADER 2PIN", MANF=MANF, MANF_P#=MANF_P#
L1: library part IND_SMD, "INDUCTOR, SMD"
M1 M2 M3 M4: library part SCMH_M3, "SCREW mouting, M3, 3.0mm diameter and 6.0mm PanHead", ASSEMBLY=DNP
PUSB1: library part CONN_USB_MICRO_AB_TM_SHT, "CONN, USB, MICRO AB, R/A, SMD, TOP MOUNT", MANF=MOLEX, MANF_P#=47590-0001, PARAM="1.8A, -20~85oC", PARAM2=30VAC, PRICE=0.75$
R1 R2 R3 R4 R5 R6 R7 R8 R9 R10 R11 R12 R13 R14 R15 R16 R17 R18 R19 R20 R21 R22 R23 R24 R25 R26 R27 R28 R29 R30 R31 R32 R33 R34 R35 R36 R37 R38 R39 R40 R41 R42 R43 R44 R45 R46 R47 R48 R49: library part RES_SMD_0805, "RESISTOR, SMD", ASSEMBLY=ASSEMBLY, DESC=DESCRIPTION, DIST#=MOUSER, MANF=-, MANF_P#=-, PARAM=-W, PARAM2=1%, PRICE="100= 0.5$"
SW1 SW2: library part SWPBS_SPST_6X3X2_RS282, "SWITCH, PUSH BUTTON, TACTILE, SMD, SPST, 6X3.5X2.5mm", ASSEMBLY=ASSEMBLY, DESC=DESCRIPTION, MANF=C&K, MANF_P#="RS-282G05A3-SM RT", PARAM=PARAM, PRICE=0.8$
U1: library part STM32F429BI
U2: library part SDRAM_MT48LC32M16_TSOP54, "SDRAM, 512Mb, 32Mb x 16, 7.5ns, 3.3V,TSOP54, PC133", MANF=MICRON, MANF_P#="MT48LC32M16A2P-75 L", PARAM="512Mb, 32Mb x 16", PARAM2="133MHz (max), 3.3V"
U3: "Nand Flash, 2GB", MANF=SAMSUNG
U4: "EEPROM, I2C"
U5: library part STM32F103C8T6_QFP48, "MCU, STM32 ARM 32-bit, Cortex M3, 64KB FLASH, 20KB SRAM", DESC="CAN, I2C, SPI, USART, USB", MANF=ST, MANF_P#=STM32F103C8T6, PARAM="64KB FLASH, 20KB SRAM, -40~85oC", PARAM2="2~3.6VCC, 72MHz, 2X12Bit ADC", PRICE=6$
U6: library part TVS_X2_USBLC6-2_SOT666, "TVS, ESD PROTECT, 3CH", MANF=ST, MANF_P#=USBLC6-2P6
U8: library part XPT2046_SSOP16, "LCD, Touch screen controller, resistive, 4-wire", MANF=XPT, MANF_P#=XPT2046, PARAM="12Bit, 125KHz", PARAM2="2.2~3.6VCC, VIO: 1.5~VCC"
U9: "TSOP23-5"
U10: "USB 2.0 HIGH SPEED 4-PORT HUB CONTROLLER"
U11: "PRTR5V0U2X , SOT143B"
US1: library part CP2102_QFN28, "USB-UART BRIDGE", ASSEMBLY=ASSEMBLY, DESC=DESCRIPTION, MANF=MANF, MANF_P#=CP2102, PARAM2=3.3V, PRICE=PRICE
X1: library part XTL_4_25MHZ_3225A, "CRYSTAL 25.00 MHZ 18pF, 50PPM", ASSEMBLY=ASSEMBLY, DESC=DESCRIPTION, DIST#=MOUSER, MANF=ABRACON, MANF_P#=ABM8-25.000MHZ-B2-T, PARAM=50PPM, PARAM2=0.5$, PRICE=PRICE
X3 X4: library part XTL_4_8MHz_3225, "Crystal 8MHz", MANF=ECS, MANF_P#=ECS-80-18-33-JGN-TR, PARAM="30PPM, 20pF", PRICE=0.5$
X?: library part XTL_2_32.768_3215N, "Crystal, 32.768KHz, 6pF, 20PPM", MANF=NDK, MANF_P#=NX3215SA-32.768KHZ, PARAM=-40~125oC, PARAM2="6/9/12pF, 20PPM", PRICE=0.6$

## Via types
v1: diameter 0.5, hole 0.3, Top Layer to Bottom Layer, tented both sides, 457 vias
v2: diameter 0.5/0.5 (per signal layer), hole 0.3, Top Layer to Bottom Layer, tented both sides, 152 vias
v3: diameter 0.8, hole 0.5, Top Layer to Bottom Layer, 32 vias
v4: diameter 0.7/0.5 (per signal layer), hole 0.5, Top Layer to Bottom Layer, tented both sides, 9 vias
v5: diameter 0.3, hole 0.2, Top Layer to Bottom Layer, tented both sides, 7 vias

## Nets (pads, with @x,y where several pads share a name; then routed paths per layer and width w, separated by ;. In a path a pad name is that pad's centre, name@x,y a point inside that pad or via, vN(x,y) a via of type N, cw(c..) or ccw(c..) an arc to the next point about the centre after c; other vN are vias at no path point)
BL_CTRL: R42.2 U1.13 U9.4 | length 95.8
  Top Layer w0.15: v1(49.3,42.3) 49.233,42.367 49.233,42.53 49.2,42.563 49.2,44.737 49.4,44.937 v1(49.4,45) ; U1.13@51.75,40 51.75,42.15 51.8,42.2 v1(51.8,42.275)
  Top Layer w0.25: v1(70.1,47.9) 70.168,47.9 70.368,47.7 R42.2@71.3,47.7 71.35,47.65 U9.4@72.8,47.65
  Bottom Layer w0.15: v1(49.3,42.3) 49.325,42.275 v1(51.8,42.275) ; v1(49.4,45) 50.575,46.175 55.625,46.175 57.97,43.83 58.089,43.711 ccw(c58.195,43.817) 58.345,43.817 58.345,45.079 cw(c58.495,45.079) 58.645,45.079 58.645,43.675 ccw(c58.795,43.675) 58.945,43.675 58.945,45.079 cw(c59.095,45.079) 59.245,45.079 59.245,43.675 ccw(c59.395,43.675) 59.545,43.675 59.545,45.079 cw(c59.695,45.079) 59.845,45.079 59.845,43.675 ccw(c59.995,43.675) 60.145,43.675 60.145,45.079 cw(c60.295,45.079) 60.445,45.079 60.445,43.675 ccw(c60.595,43.675) 60.745,43.675 60.745,45.079 cw(c60.895,45.079) 61.045,45.079 61.045,43.675 ccw(c61.195,43.675) 61.345,43.675 61.345,45.079 cw(c61.495,45.079) 61.645,45.079 61.645,43.675 ccw(c61.795,43.675) 61.945,43.675 61.945,45.079 cw(c62.095,45.079) 62.245,45.079 62.245,43.675 ccw(c62.395,43.675) 62.545,43.675 62.545,45.079 cw(c62.695,45.079) 62.845,45.079 62.845,43.675 ccw(c62.995,43.675) 63.145,43.675 63.145,45.079 cw(c63.295,45.079) 63.445,45.079 63.445,43.675 ccw(c63.595,43.675) 63.745,43.675 63.745,45.079 cw(c63.895,45.079) 64.045,45.079 64.045,43.675 ccw(c64.195,43.675) 64.345,43.675 64.345,45.079 cw(c64.495,45.079) 64.645,45.079 64.645,43.675 ccw(c64.795,43.675) 64.945,43.675 64.945,45.079 cw(c65.095,45.079) 65.245,45.079 65.245,43.292 ccw(c65.395,43.292) 65.545,43.292 65.545,45.079 cw(c65.695,45.079) 65.845,45.079 65.845,42.726 ccw(c65.995,42.726) 66.145,42.726 66.145,45.079 cw(c66.295,45.079) 66.445,45.079 66.445,42.726 ccw(c66.595,42.726) 66.745,42.726 66.745,45.079 cw(c66.895,45.079) 67.045,45.079 67.045,42.726 ccw(c67.195,42.726) 67.345,42.726 67.345,45.079 cw(c67.495,45.079) 67.645,45.079 67.645,42.726 ccw(c67.795,42.726) 67.945,42.726 67.945,43.875 cw(c68.095,43.875) 68.245,43.875 68.245,43.71 ccw(c68.395,43.71) 68.395,43.56 68.9,43.56 69.16,43.56 70.1,44.5 v1(70.1,47.9)
EEPROM_SCL: R16.1 U1.195 U4.6 | length 5.7
  Top Layer w0.15: v1(58.399,31.011) 58.424,31.011 58.662,31.25 U1.195@60,31.25
  Bottom Layer w0.15: v1(58.399,31.011) 58.675,30.735 U4.6@60,30.735
  Bottom Layer w0.3: U4.6@60,30.735 62.065,30.735 R16.1@62.2,30.6
EEPROM_SDA: R17.1 U1.196 U4.5 | length 5.6
  Top Layer w0.15: v1(58.406,32) 58.419,32 58.669,31.75 U1.196@60,31.75
  Bottom Layer w0.15: v1(58.406,32) 59.995,32 U4.5@60,32.005
  Bottom Layer w0.3: U4.5@60,32.005 62.005,32.005 R17.1@62.2,32.2
FMC_A0: U1.16 U2.23 | length 39.5
  Top Layer w0.15: v1(40.8,34.7) 41.6,33.9 44.98,33.9 46.555,35.475 47.501,35.475 48.706,34.27 49.201,33.775 49.231,33.775 cw(c49.231,33.625) 49.381,33.625 49.381,32.455 ccw(c49.531,32.455) 49.681,32.455 49.681,33.625 cw(c49.831,33.625) 49.981,33.625 49.981,32.455 ccw(c50.131,32.455) 50.281,32.455 50.281,33.625 cw(c50.431,33.625) 50.431,33.775 50.687,33.775 50.709,33.797 50.749,33.837 50.775,33.863 50.775,34.212 cw(c50.925,34.212) 50.925,34.362 52.285,34.362 ccw(c52.285,34.512) 52.285,34.662 50.91,34.662 cw(c50.91,34.812) 50.91,34.962 52.285,34.962 ccw(c52.285,35.112) 52.285,35.262 50.914,35.262 cw(c50.914,35.412) 50.914,35.562 52.225,35.562 ccw(c52.225,35.712) 52.225,35.862 50.914,35.862 cw(c50.914,36.012) 50.914,36.162 52.225,36.162 ccw(c52.225,36.312) 52.225,36.462 50.914,36.462 cw(c50.914,36.612) 50.914,36.762 52.054,36.762 ccw(c52.054,36.912) 52.054,37.062 50.925,37.062 cw(c50.925,37.212) 50.775,37.212 50.775,38.025 50.25,38.55 U1.16@50.25,40
  Bottom Layer w0.15: U2.23@39.4,34.7 v1(40.8,34.7)
FMC_A1: U1.17 U2.24 | length 39.6
  Top Layer w0.15: v1(40.8,35.5) 41.4,34.9 41.475,34.9 ccw(c41.475,35.05) 41.625,35.05 41.625,35.454 cw(c41.775,35.454) 41.925,35.454 41.925,34.35 ccw(c42.075,34.35) 42.225,34.35 42.225,35.454 cw(c42.375,35.454) 42.525,35.454 42.525,34.35 ccw(c42.675,34.35) 42.825,34.35 42.825,35.454 cw(c42.975,35.454) 43.125,35.454 43.125,34.35 ccw(c43.275,34.35) 43.425,34.35 43.425,35.454 cw(c43.575,35.454) 43.725,35.454 43.725,34.35 ccw(c43.875,34.35) 44.025,34.35 44.025,35.454 cw(c44.175,35.454) 44.325,35.454 44.325,34.35 ccw(c44.475,34.35) 44.625,34.35 44.625,35.454 cw(c44.775,35.454) 44.925,35.454 44.925,35.05 ccw(c45.075,35.05) 45.075,34.9 45.5,34.9 45.555,34.9 46.43,35.775 47.625,35.775 49,34.4 49.325,34.075 50.2,34.075 50.312,34.187 50.312,34.4 50.356,34.444 50.4,34.488 50.4,34.519 ccw(c50.25,34.519) 50.25,34.669 49.305,34.669 cw(c49.305,34.819) 49.305,34.969 50.325,34.969 ccw(c50.325,35.119) 50.325,35.269 49.222,35.269 cw(c49.222,35.419) 49.222,35.569 50.325,35.569 ccw(c50.325,35.719) 50.325,35.869 49.548,35.869 cw(c49.548,36.019) 49.548,36.169 50.325,36.169 ccw(c50.325,36.319) 50.325,36.469 50.165,36.469 cw(c50.165,36.619) 50.165,36.769 50.25,36.769 ccw(c50.25,36.919) 50.4,36.919 50.4,37.313 50.4,37.7 49.75,38.35 U1.17@49.75,40
  Bottom Layer w0.15: U2.24@39.4,35.5 v1(40.8,35.5)
FMC_A2: U1.18 U2.25 | length 39.6
  Top Layer w0.15: v1(40.8,36.3) 41.2,36.3 41.275,36.3 ccw(c41.275,36.45) 41.425,36.45 41.425,36.65 cw(c41.575,36.65) 41.725,36.65 41.725,36.054 ccw(c41.875,36.054) 42.025,36.054 42.025,36.65 cw(c42.175,36.65) 42.325,36.65 42.325,36.054 ccw(c42.475,36.054) 42.625,36.054 42.625,36.65 cw(c42.775,36.65) 42.925,36.65 42.925,36.054 ccw(c43.075,36.054) 43.225,36.054 43.225,36.65 cw(c43.375,36.65) 43.525,36.65 43.525,36.054 ccw(c43.675,36.054) 43.825,36.054 43.825,36.65 cw(c43.975,36.65) 44.125,36.65 44.125,36.054 ccw(c44.275,36.054) 44.425,36.054 44.425,36.65 cw(c44.575,36.65) 44.725,36.65 44.725,36.054 ccw(c44.875,36.054) 45.025,36.054 45.025,36.65 cw(c45.175,36.65) 45.325,36.65 45.325,35.95 ccw(c45.475,35.95) 45.625,35.95 45.625,36.65 cw(c45.775,36.65) 45.925,36.65 45.925,36.45 ccw(c46.075,36.45) 46.075,36.3 46.33,36.3 47,36.3 47.102,36.402 47.155,36.455 ccw(c47.049,36.561) 47.155,36.667 47.014,36.809 cw(c47.12,36.915) 47.014,37.021 cw(c47.12,36.915) 47.226,37.021 48.439,35.808 ccw(c48.545,35.914) 48.651,35.808 ccw(c48.545,35.914) 48.651,36.02 47.442,37.229 cw(c47.548,37.335) 47.442,37.441 cw(c47.548,37.335) 47.654,37.441 48.863,36.232 ccw(c48.97,36.338) 49.076,36.232 ccw(c48.97,36.338) 49.076,36.444 47.866,37.653 cw(c47.973,37.759) 47.866,37.866 cw(c47.973,37.759) 48.079,37.866 49.288,36.656 ccw(c49.394,36.762) 49.5,36.656 ccw(c49.394,36.762) 49.5,36.868 48.287,38.082 cw(c48.393,38.188) 48.287,38.294 cw(c48.393,38.188) 48.499,38.294 49.712,37.081 ccw(c49.818,37.187) 49.924,37.081 ccw(c49.818,37.187) 49.924,37.293 48.711,38.506 cw(c48.817,38.612) 48.711,38.718 cw(c48.817,38.612) 48.923,38.718 48.994,38.647 ccw(c49.1,38.753) 49.25,38.753 49.25,39.283 U1.18@49.25,40
  Bottom Layer w0.15: U2.25@39.4,36.3 v1(40.8,36.3)
FMC_A3: U1.22 U2.26 | length 39.5
  Top Layer w0.15: v1(40.8,37.3) 40.863,37.3 41.063,37.1 41.3,37.1 41.375,37.1 ccw(c41.375,37.25) 41.525,37.25 41.525,38.61 cw(c41.675,38.61) 41.825,38.61 41.825,37.249 ccw(c41.975,37.249) 42.125,37.249 42.125,38.61 cw(c42.275,38.61) 42.425,38.61 42.425,37.249 ccw(c42.575,37.249) 42.725,37.249 42.725,38.61 cw(c42.875,38.61) 43.025,38.61 43.025,37.248 ccw(c43.175,37.248) 43.325,37.248 43.325,38.61 cw(c43.475,38.61) 43.625,38.61 43.625,37.248 ccw(c43.775,37.248) 43.925,37.248 43.925,38.61 cw(c44.075,38.61) 44.225,38.61 44.225,37.248 ccw(c44.375,37.248) 44.525,37.248 44.525,37.775 cw(c44.675,37.775) 44.825,37.775 44.825,37.247 ccw(c44.975,37.247) 45.125,37.247 45.125,37.353 cw(c45.275,37.353) 45.425,37.353 45.425,37.25 ccw(c45.575,37.25) 45.575,37.1 45.7,37.1 46.281,37.681 46.546,37.946 cw(c46.652,37.84) 46.758,37.946 46.946,37.758 ccw(c47.052,37.864) 47.158,37.758 ccw(c47.052,37.864) 47.158,37.97 46.782,38.346 cw(c46.888,38.452) 46.782,38.558 cw(c46.888,38.452) 46.994,38.558 47.37,38.182 ccw(c47.476,38.288) 47.582,38.182 ccw(c47.476,38.288) 47.582,38.394 47.294,38.683 cw(c47.4,38.789) 47.25,38.789 47.25,39.394 U1.22@47.25,40
  Bottom Layer w0.15: U2.26@39.4,37.1 39.436,37.064 40.364,37.064 40.653,36.775 40.997,36.775 41.275,36.497 41.275,34.503 41.248,34.476 41.248,34.352 42.488,33.112 42.612,33.112 42.7,33.2 42.7,33.5 41.6,34.6 41.6,36.8 41.136,37.264 40.836,37.264 v1(40.8,37.3)
FMC_A4: U1.23 U2.29 | length 39.6
  Top Layer w0.15: v1(45.7,37.9) 46.75,38.95 U1.23@46.75,40
  Bottom Layer w0.15: v1(45.7,37.9) 45.375,38.225 45.375,38.597 45.097,38.875 44,38.875 43.925,38.875 ccw(c43.925,38.725) 43.775,38.725 43.775,38.425 cw(c43.625,38.425) 43.475,38.425 43.475,38.817 ccw(c43.325,38.817) 43.175,38.817 43.175,38.425 cw(c43.025,38.425) 42.875,38.425 42.875,38.817 ccw(c42.725,38.817) 42.575,38.817 42.575,38.425 cw(c42.425,38.425) 42.275,38.425 42.275,38.725 ccw(c42.125,38.725) 42.125,38.875 41.847,38.875 41.7,39.022 41.7,39.179 41.788,39.267 46.227,39.267 46.4,39.093 46.4,37.191 46.411,37.18 46.488,37.103 46.85,37.103 ccw(c46.85,37.253) 47,37.253 47,39.077 cw(c47.15,39.077) 47.3,39.077 47.3,37.012 ccw(c47.45,37.012) 47.6,37.012 47.6,39.077 cw(c47.75,39.077) 47.9,39.077 47.9,37.012 ccw(c48.05,37.012) 48.2,37.012 48.2,39.077 cw(c48.35,39.077) 48.5,39.077 48.5,37.012 ccw(c48.65,37.012) 48.8,37.012 48.8,39.077 cw(c48.95,39.077) 49.1,39.077 49.1,36.869 ccw(c49.25,36.869) 49.4,36.869 49.4,36.95 cw(c49.55,36.95) 49.55,37.1 49.625,37.1 49.7,37.1 U2.29@50.122,37.1
  Bottom Layer w0.3: U2.29@50.122,37.1 U2.29@50.6,37.1
FMC_A5: U1.24 U2.30 | length 39.7
  Top Layer w0.15: v1(44.9,38.4) 45.43,38.4 46.25,39.22 U1.24@46.25,40
  Bottom Layer w0.15: v1(44.9,38.4) 43.6,37.1 43.6,35.988 43.655,35.933 43.688,35.9 43.971,35.9 cw(c43.971,35.75) 44.121,35.75 44.121,34.713 ccw(c44.271,34.713) 44.421,34.713 44.421,36.412 cw(c44.571,36.412) 44.721,36.412 44.721,34.134 ccw(c44.871,34.134) 45.021,34.134 45.021,36.412 cw(c45.171,36.412) 45.321,36.412 45.321,33.959 ccw(c45.471,33.959) 45.621,33.959 45.621,36.412 cw(c45.771,36.412) 45.921,36.412 45.921,33.959 ccw(c46.071,33.959) 46.221,33.959 46.221,36.412 cw(c46.371,36.412) 46.521,36.412 46.521,35.025 ccw(c46.671,35.025) 46.821,35.025 46.821,36.412 cw(c46.971,36.412) 47.121,36.412 47.121,35.395 ccw(c47.271,35.395) 47.421,35.395 47.421,36.412 cw(c47.571,36.412) 47.721,36.412 47.721,35.939 ccw(c47.871,35.939) 48.021,35.939 48.021,36.412 cw(c48.171,36.412) 48.321,36.412 48.321,35.95 ccw(c48.471,35.95) 48.621,35.95 48.621,36.412 cw(c48.771,36.412) 48.921,36.412 48.921,36.05 ccw(c49.071,36.05) 49.071,35.9 49.446,35.9 49.828,35.9 49.978,36.05 49.978,36.084 50.195,36.3 U2.30@50.6,36.3
FMC_A6: U1.71 U2.31 | length 39.5
  Top Layer w0.15: U1.71@30,28.75 31.75,28.75 31.9,28.9 31.953,28.953 ccw(c31.847,29.059) 31.953,29.165 31.827,29.291 cw(c31.933,29.397) 31.827,29.503 cw(c31.933,29.397) 32.039,29.503 32.519,29.024 ccw(c32.625,29.13) 32.731,29.024 ccw(c32.625,29.13) 32.731,29.236 32.252,29.715 cw(c32.358,29.821) 32.252,29.927 cw(c32.358,29.821) 32.464,29.927 32.943,29.448 ccw(c33.049,29.554) 33.155,29.448 ccw(c33.049,29.554) 33.155,29.66 33.014,29.802 cw(c33.12,29.908) 33.014,30.014 33.2,30.2 34.3,31.3 34.6,31.3 34.975,31.3 cw(c34.975,31.15) 35.125,31.15 35.125,30.991 ccw(c35.275,30.991) 35.425,30.991 35.425,31.15 cw(c35.575,31.15) 35.575,31.3 36.775,31.3 cw(c36.775,31.15) 36.925,31.15 36.925,30.991 ccw(c37.075,30.991) 37.225,30.991 37.225,31.248 cw(c37.375,31.248) 37.525,31.248 37.525,30.991 ccw(c37.675,30.991) 37.825,30.991 37.825,31.35 cw(c37.975,31.35) 38.125,31.35 38.125,30.991 ccw(c38.275,30.991) 38.425,30.991 38.425,31.35 cw(c38.575,31.35) 38.725,31.35 38.725,30.991 ccw(c38.875,30.991) 39.025,30.991 39.025,31.35 cw(c39.175,31.35) 39.325,31.35 39.325,30.991 ccw(c39.475,30.991) 39.625,30.991 39.625,31.35 cw(c39.775,31.35) 39.925,31.35 39.925,30.991 ccw(c40.075,30.991) 40.225,30.991 40.225,31.35 cw(c40.375,31.35) 40.525,31.35 40.525,30.991 ccw(c40.675,30.991) 40.825,30.991 40.825,31.222 cw(c40.975,31.222) 41.125,31.222 41.125,30.629 ccw(c41.275,30.629) 41.425,30.629 41.425,31.175 cw(c41.575,31.175) 41.725,31.175 41.725,30.629 ccw(c41.875,30.629) 42.025,30.629 42.025,31.65 cw(c42.175,31.65) 42.325,31.65 42.325,30.629 ccw(c42.475,30.629) 42.625,30.629 42.625,31.15 cw(c42.775,31.15) 42.775,31.3 43.3,31.3 43.9,31.3 v1(47,34.4)
  Bottom Layer w0.15: v1(47,34.4) 48.1,35.5 U2.31@50.6,35.5
FMC_A7: U1.74 U2.32 | length 39.6
  Top Layer w0.15: U1.74@30,27.25 31.45,27.25 31.6,27.4 31.653,27.453 ccw(c31.547,27.559) 31.653,27.665 31.512,27.807 cw(c31.618,27.913) 31.512,28.019 cw(c31.618,27.913) 31.724,28.019 32.219,27.524 ccw(c32.325,27.63) 32.431,27.524 ccw(c32.325,27.63) 32.431,27.736 31.936,28.231 cw(c32.042,28.337) 31.936,28.443 cw(c32.042,28.337) 32.148,28.443 32.643,27.948 ccw(c32.749,28.054) 32.855,27.948 ccw(c32.749,28.054) 32.855,28.16 32.714,28.302 cw(c32.82,28.408) 32.714,28.514 32.9,28.7 34.2,30 34.7,30 34.775,30 ccw(c34.775,30.15) 34.925,30.15 34.925,30.391 cw(c35.075,30.391) 35.225,30.391 35.225,29.85 ccw(c35.375,29.85) 35.525,29.85 35.525,30.153 cw(c35.675,30.153) 35.825,30.153 35.825,29.85 ccw(c35.975,29.85) 36.125,29.85 36.125,30.075 cw(c36.275,30.075) 36.425,30.075 36.425,29.85 ccw(c36.575,29.85) 36.725,29.85 36.725,30.391 cw(c36.875,30.391) 37.025,30.391 37.025,29.85 ccw(c37.175,29.85) 37.325,29.85 37.325,30.391 cw(c37.475,30.391) 37.625,30.391 37.625,29.85 ccw(c37.775,29.85) 37.925,29.85 37.925,30.391 cw(c38.075,30.391) 38.225,30.391 38.225,29.85 ccw(c38.375,29.85) 38.525,29.85 38.525,30.391 cw(c38.675,30.391) 38.825,30.391 38.825,29.85 ccw(c38.975,29.85) 39.125,29.85 39.125,30.391 cw(c39.275,30.391) 39.425,30.391 39.425,29.85 ccw(c39.575,29.85) 39.725,29.85 39.725,30.391 cw(c39.875,30.391) 40.025,30.391 40.025,29.85 ccw(c40.175,29.85) 40.325,29.85 40.325,30.391 cw(c40.475,30.391) 40.625,30.391 40.625,30.15 ccw(c40.775,30.15) 40.775,30 41.588,30 43.328,30 47,33.672 v1(47,33.7)
  Bottom Layer w0.15: v1(47,33.7) 48,34.7 U2.32@50.6,34.7
FMC_A8: U1.75 U2.33 | length 39.6
  Top Layer w0.15: U1.75@30,26.75 32.35,26.75 32.6,27 32.865,27.265 cw(c32.971,27.159) 33.077,27.265 33.203,27.139 ccw(c33.309,27.245) 33.415,27.139 ccw(c33.309,27.245) 33.415,27.352 33.155,27.612 cw(c33.261,27.718) 33.155,27.824 cw(c33.261,27.718) 33.367,27.824 33.627,27.564 ccw(c33.733,27.67) 33.839,27.564 ccw(c33.733,27.67) 33.839,27.776 33.36,28.255 cw(c33.466,28.361) 33.36,28.467 cw(c33.466,28.361) 33.572,28.467 34.052,27.988 ccw(c34.158,28.094) 34.264,27.988 ccw(c34.158,28.094) 34.264,28.2 34.138,28.326 cw(c34.244,28.432) 34.138,28.538 34.425,28.825 34.5,28.9 34.8,28.9 34.875,28.9 ccw(c34.875,29.05) 35.025,29.05 35.025,29.25 cw(c35.175,29.25) 35.325,29.25 35.325,29.05 ccw(c35.475,29.05) 35.625,29.05 35.625,29.25 cw(c35.775,29.25) 35.925,29.25 35.925,29.05 ccw(c36.075,29.05) 36.225,29.05 36.225,29.25 cw(c36.375,29.25) 36.525,29.25 36.525,29.05 ccw(c36.675,29.05) 36.825,29.05 36.825,29.25 cw(c36.975,29.25) 37.125,29.25 37.125,29.05 ccw(c37.275,29.05) 37.425,29.05 37.425,29.25 cw(c37.575,29.25) 37.725,29.25 37.725,29.05 ccw(c37.875,29.05) 38.025,29.05 38.025,29.25 cw(c38.175,29.25) 38.325,29.25 38.325,29.05 ccw(c38.475,29.05) 38.625,29.05 38.625,29.25 cw(c38.775,29.25) 38.925,29.25 38.925,29.05 ccw(c39.075,29.05) 39.225,29.05 39.225,29.25 cw(c39.375,29.25) 39.525,29.25 39.525,29.05 ccw(c39.675,29.05) 39.825,29.05 39.825,29.25 cw(c39.975,29.25) 40.125,29.25 40.125,29.05 ccw(c40.275,29.05) 40.425,29.05 40.425,29.25 cw(c40.575,29.25) 40.725,29.25 40.725,28.601 ccw(c40.875,28.601) 41.025,28.601 41.025,29.25 cw(c41.175,29.25) 41.325,29.25 41.325,28.55 ccw(c41.475,28.55) 41.625,28.55 41.625,29.25 cw(c41.775,29.25) 41.925,29.25 41.925,28.55 ccw(c42.075,28.55) 42.225,28.55 42.225,29.25 cw(c42.375,29.25) 42.525,29.25 42.525,29.05 ccw(c42.675,29.05) 42.675,28.9 42.9,28.9 43.2,29.2 v1(47,33)
  Bottom Layer w0.15: v1(47,33) 47.062,33 47.962,33.9 U2.33@50.6,33.9